# Altium PCB PCB_3_3G_wireless.PcbDoc (part 5 of 6)
Units mm, origin at the board's own origin, x right, y up, seen from the top; angles counter-clockwise.
Board outline 800 x 450.44 mm, 4 copper layers (Top Layer, Y1, S2, Bottom Layer), stack 0.778 mm thick; 1293 components, 1283 nets, 3356 pads, 970 vias.
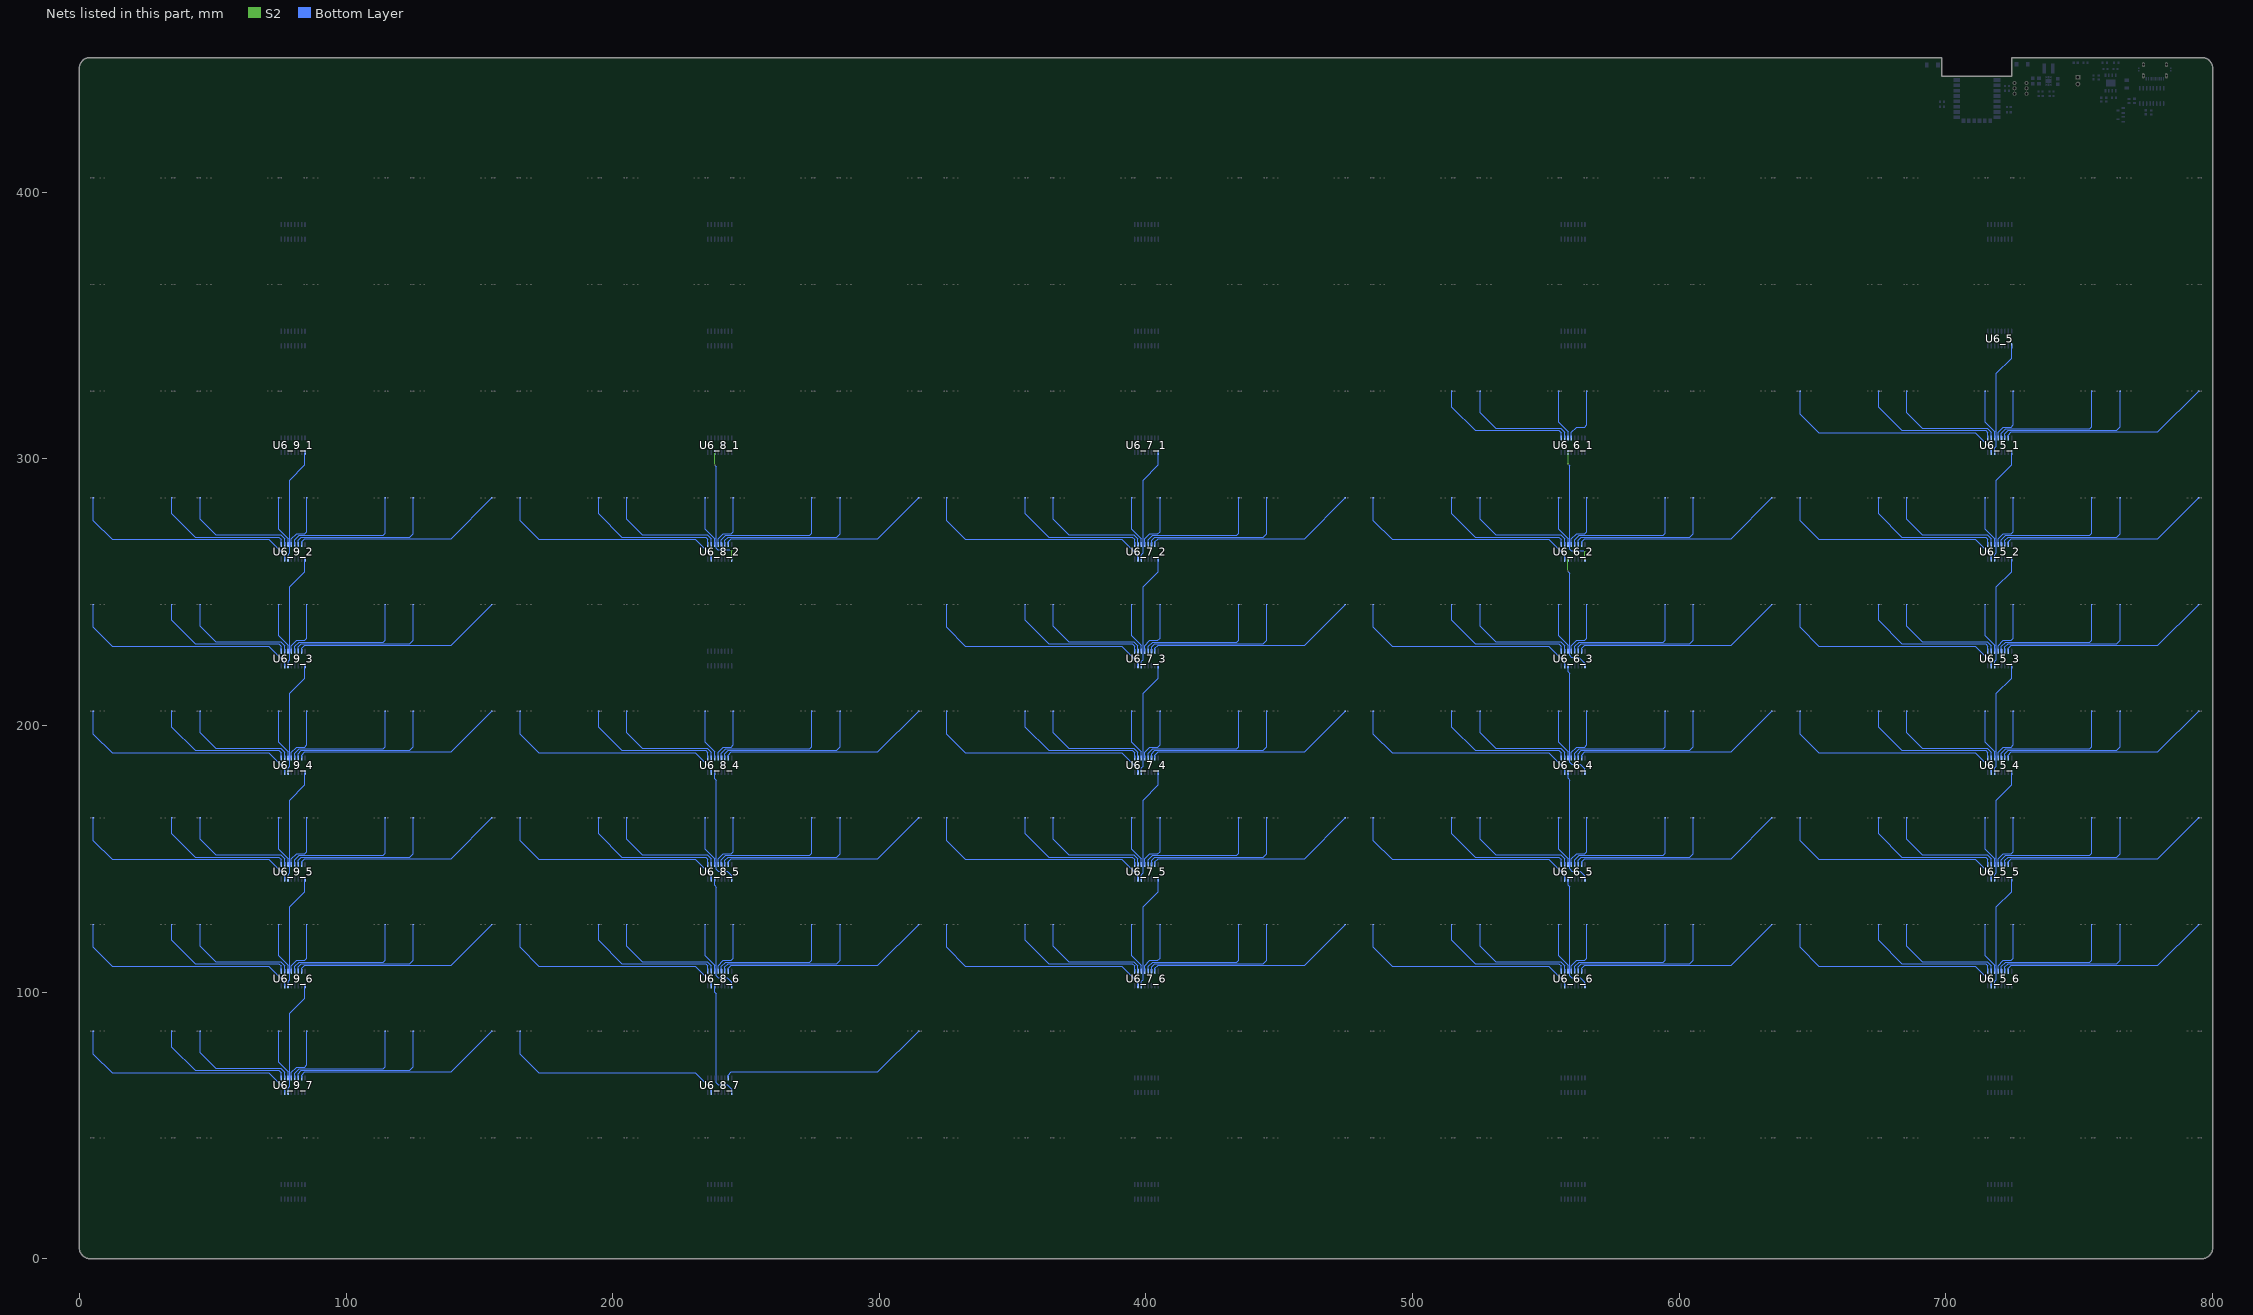
[diagram p7: the nets of this part, all layers, seen from the top]

## Via types
v1: diameter 0.5, hole 0.3, Top Layer to Bottom Layer, tented both sides, 612 vias
v2: diameter 0.45, hole 0.3, Top Layer to Bottom Layer, tented both sides, 354 vias
v3: diameter 0.6, hole 0.4, Top Layer to Bottom Layer, tented both sides, 4 vias

## Nets (pads, with @x,y where several pads share a name; then routed paths per layer and width w, separated by ;. In a path a pad name is that pad's centre, name@x,y a point inside that pad or via, vN(x,y) a via of type N, cw(c..) or ccw(c..) an arc to the next point about the centre after c; other vN are vias at no path point) (continued)
NewNet889: BR1_11_7.1 U6_8_7.7 | length 79.3
  Bottom Layer w0.254: U6_8_7.7@243.341,67.8 243.341,68.874 244.51,70.042 299.458,70.042 BR1_11_7.1@314.723,85.308
NewNet890: BR2_3_8_7.1 U6_8_7.15 | length 87.1
  Bottom Layer w0.254: BR2_3_8_7.1@165.276,85.308 165.276,76.759 172.297,69.738 230.971,69.738 236.991,63.718 U6_8_7.15@236.991,62.328
NewNet891: U6_8_6.14 U6_8_7.9 | length 44.5
  Bottom Layer w0.254: U6_8_6.14@238.261,102.254 238.261,100.002 238.902,99.362 238.902,66.062 239.664,65.3 242.889,65.3 244.611,63.578 U6_8_7.9@244.611,62.328 U6_8_7.9@244.611,62.254
NewNet892: BR1_3_9_7.1 U6_9_7.1 | length 52.9
  Bottom Layer w0.254: BR1_3_9_7.1@34.723,85.308 34.723,79.341 43.438,70.627 74.858,70.627 75.721,69.763 U6_9_7.1@75.721,67.8
NewNet893: BR2_2_9_7.1 U6_9_7.2 | length 44.9
  Bottom Layer w0.254: BR2_2_9_7.1@45.276,85.308 45.276,77.221 51.083,71.414 75.493,71.414 76.991,69.915 U6_9_7.2@76.991,67.8
NewNet894: BR1_2_9_7.1 U6_9_7.3 | length 19
  Bottom Layer w0.254: BR1_2_9_7.1@74.723,85.308 74.723,73.58 78.261,70.042 U6_9_7.3@78.261,67.8
NewNet895: BR2_1_9_7.1 U6_9_7.4 | length 21.6
  Bottom Layer w0.254: U6_9_7.4@79.531,67.8 79.531,69.915 81.487,71.871 84.484,71.871 85.276,72.663 BR2_1_9_7.1@85.276,85.308
NewNet896: BR1_1_9_7.1 U6_9_7.5 | length 50
  Bottom Layer w0.254: U6_9_7.5@80.801,67.8 80.801,69.585 82.452,71.236 113.974,71.236 114.723,71.986 BR1_1_9_7.1@114.723,85.308
NewNet897: BR2_12_7.1 U6_9_7.6 | length 59.2
  Bottom Layer w0.254: U6_9_7.6@82.071,67.8 82.071,69.407 83.29,70.627 123.956,70.627 125.276,71.947 BR2_12_7.1@125.276,85.308
NewNet898: BR1_12_7.1 U6_9_7.7 | length 79.3
  Bottom Layer w0.254: U6_9_7.7@83.341,67.8 83.341,68.874 84.51,70.042 139.458,70.042 BR1_12_7.1@154.723,85.308
NewNet899: BR2_3_9_7.1 U6_9_7.15 | length 87.1
  Bottom Layer w0.254: BR2_3_9_7.1@5.276,85.308 5.276,76.759 12.297,69.738 70.971,69.738 76.991,63.718 U6_9_7.15@76.991,62.328
NewNet900: U6_9_6.9 U6_9_7.14 | length 42.6
  Bottom Layer w0.254: U6_9_7.14@78.261,62.328 78.261,64.043 78.896,64.678 78.896,91.958 84.611,97.673 U6_9_6.9@84.611,102.328
NewNet901: BR1_3_5_6.1 U6_5_6.1 | length 52.9
  Bottom Layer w0.254: BR1_3_5_6.1@674.723,125.308 674.723,119.341 683.438,110.627 714.858,110.627 715.721,109.763 U6_5_6.1@715.721,107.8
NewNet902: BR2_2_5_6.1 U6_5_6.2 | length 44.9
  Bottom Layer w0.254: BR2_2_5_6.1@685.276,125.308 685.276,117.221 691.083,111.414 715.493,111.414 716.991,109.915 U6_5_6.2@716.991,107.8
NewNet903: BR1_2_5_6.1 U6_5_6.3 | length 19
  Bottom Layer w0.254: BR1_2_5_6.1@714.723,125.308 714.723,113.58 718.261,110.042 U6_5_6.3@718.261,107.8
NewNet904: BR2_1_5_6.1 U6_5_6.4 | length 21.6
  Bottom Layer w0.254: U6_5_6.4@719.531,107.8 719.531,109.915 721.487,111.871 724.484,111.871 725.276,112.663 BR2_1_5_6.1@725.276,125.308
NewNet905: BR1_1_5_6.1 U6_5_6.5 | length 50
  Bottom Layer w0.254: U6_5_6.5@720.801,107.8 720.801,109.585 722.452,111.236 753.974,111.236 754.723,111.986 BR1_1_5_6.1@754.723,125.308
NewNet906: BR2_8_6.1 U6_5_6.6 | length 59.2
  Bottom Layer w0.254: U6_5_6.6@722.071,107.8 722.071,109.407 723.29,110.627 763.956,110.627 765.276,111.947 BR2_8_6.1@765.276,125.308
NewNet907: BR1_8_6.1 U6_5_6.7 | length 79.3
  Bottom Layer w0.254: U6_5_6.7@723.341,107.8 723.341,108.874 724.51,110.042 779.458,110.042 BR1_8_6.1@794.723,125.308
NewNet908: BR2_3_5_6.1 U6_5_6.15 | length 87.1
  Bottom Layer w0.254: BR2_3_5_6.1@645.276,125.308 645.276,116.759 652.297,109.738 710.971,109.738 716.991,103.718 U6_5_6.15@716.991,102.328
NewNet909: U6_5_5.9 U6_5_6.14 | length 42.6
  Bottom Layer w0.254: U6_5_6.14@718.261,102.328 718.261,104.043 718.896,104.678 718.896,131.958 724.611,137.673 U6_5_5.9@724.611,142.328
NewNet910: BR1_3_6_6.1 U6_6_6.1 | length 52.9
  Bottom Layer w0.254: BR1_3_6_6.1@514.723,125.308 514.723,119.341 523.438,110.627 554.858,110.627 555.721,109.763 U6_6_6.1@555.721,107.8
NewNet911: BR2_2_6_6.1 U6_6_6.2 | length 44.9
  Bottom Layer w0.254: BR2_2_6_6.1@525.276,125.308 525.276,117.221 531.083,111.414 555.493,111.414 556.991,109.915 U6_6_6.2@556.991,107.8
NewNet912: BR1_2_6_6.1 U6_6_6.3 | length 19
  Bottom Layer w0.254: BR1_2_6_6.1@554.723,125.308 554.723,113.58 558.261,110.042 U6_6_6.3@558.261,107.8
NewNet913: BR2_1_6_6.1 U6_6_6.4 | length 21.6
  Bottom Layer w0.254: U6_6_6.4@559.531,107.8 559.531,109.915 561.487,111.871 564.484,111.871 565.276,112.663 BR2_1_6_6.1@565.276,125.308
NewNet914: BR1_1_6_6.1 U6_6_6.5 | length 50
  Bottom Layer w0.254: U6_6_6.5@560.801,107.8 560.801,109.585 562.452,111.236 593.974,111.236 594.723,111.986 BR1_1_6_6.1@594.723,125.308
NewNet915: BR2_9_6.1 U6_6_6.6 | length 59.2
  Bottom Layer w0.254: U6_6_6.6@562.071,107.8 562.071,109.407 563.29,110.627 603.956,110.627 605.276,111.947 BR2_9_6.1@605.276,125.308
NewNet916: BR1_9_6.1 U6_6_6.7 | length 79.3
  Bottom Layer w0.254: U6_6_6.7@563.341,107.8 563.341,108.874 564.51,110.042 619.458,110.042 BR1_9_6.1@634.723,125.308
NewNet917: BR2_3_6_6.1 U6_6_6.15 | length 87.1
  Bottom Layer w0.254: BR2_3_6_6.1@485.276,125.308 485.276,116.759 492.297,109.738 550.971,109.738 556.991,103.718 U6_6_6.15@556.991,102.328
NewNet918: U6_6_5.14 U6_6_6.9 | length 44.5
  Bottom Layer w0.254: U6_6_5.14@558.261,142.328 558.261,140.076 558.902,139.436 558.902,106.137 559.664,105.375 562.889,105.375 564.611,103.653 U6_6_6.9@564.611,102.328
NewNet919: BR1_3_7_6.1 U6_7_6.1 | length 52.9
  Bottom Layer w0.254: BR1_3_7_6.1@354.723,125.308 354.723,119.341 363.438,110.627 394.858,110.627 395.721,109.763 U6_7_6.1@395.721,107.8
NewNet920: BR2_2_7_6.1 U6_7_6.2 | length 44.9
  Bottom Layer w0.254: BR2_2_7_6.1@365.276,125.308 365.276,117.221 371.083,111.414 395.493,111.414 396.991,109.915 U6_7_6.2@396.991,107.8
NewNet921: BR1_2_7_6.1 U6_7_6.3 | length 19
  Bottom Layer w0.254: BR1_2_7_6.1@394.723,125.308 394.723,113.58 398.261,110.042 U6_7_6.3@398.261,107.8
NewNet922: BR2_1_7_6.1 U6_7_6.4 | length 21.6
  Bottom Layer w0.254: U6_7_6.4@399.531,107.8 399.531,109.915 401.487,111.871 404.484,111.871 405.276,112.663 BR2_1_7_6.1@405.276,125.308
NewNet923: BR1_1_7_6.1 U6_7_6.5 | length 50
  Bottom Layer w0.254: U6_7_6.5@400.801,107.8 400.801,109.585 402.452,111.236 433.974,111.236 434.723,111.986 BR1_1_7_6.1@434.723,125.308
NewNet924: BR2_10_6.1 U6_7_6.6 | length 59.2
  Bottom Layer w0.254: U6_7_6.6@402.071,107.8 402.071,109.407 403.29,110.627 443.956,110.627 445.276,111.947 BR2_10_6.1@445.276,125.308
NewNet925: BR1_10_6.1 U6_7_6.7 | length 79.3
  Bottom Layer w0.254: U6_7_6.7@403.341,107.8 403.341,108.874 404.51,110.042 459.458,110.042 BR1_10_6.1@474.723,125.308
NewNet926: BR2_3_7_6.1 U6_7_6.15 | length 87.1
  Bottom Layer w0.254: BR2_3_7_6.1@325.276,125.308 325.276,116.759 332.297,109.738 390.971,109.738 396.991,103.718 U6_7_6.15@396.991,102.328
NewNet927: U6_7_5.9 U6_7_6.14 | length 42.6
  Bottom Layer w0.254: U6_7_6.14@398.261,102.328 398.261,104.043 398.896,104.678 398.896,131.958 404.611,137.673 U6_7_5.9@404.611,142.328
NewNet928: BR1_3_8_6.1 U6_8_6.1 | length 52.9
  Bottom Layer w0.254: BR1_3_8_6.1@194.723,125.308 194.723,119.341 203.438,110.627 234.858,110.627 235.721,109.763 U6_8_6.1@235.721,107.8
NewNet929: BR2_2_8_6.1 U6_8_6.2 | length 44.9
  Bottom Layer w0.254: BR2_2_8_6.1@205.276,125.308 205.276,117.221 211.083,111.414 235.493,111.414 236.991,109.915 U6_8_6.2@236.991,107.8
NewNet930: BR1_2_8_6.1 U6_8_6.3 | length 19
  Bottom Layer w0.254: BR1_2_8_6.1@234.723,125.308 234.723,113.58 238.261,110.042 U6_8_6.3@238.261,107.8
NewNet931: BR2_1_8_6.1 U6_8_6.4 | length 21.6
  Bottom Layer w0.254: U6_8_6.4@239.531,107.8 239.531,109.915 241.487,111.871 244.484,111.871 245.276,112.663 BR2_1_8_6.1@245.276,125.308
NewNet932: BR1_1_8_6.1 U6_8_6.5 | length 50
  Bottom Layer w0.254: U6_8_6.5@240.801,107.8 240.801,109.585 242.452,111.236 273.974,111.236 274.723,111.986 BR1_1_8_6.1@274.723,125.308
NewNet933: BR2_11_6.1 U6_8_6.6 | length 59.2
  Bottom Layer w0.254: U6_8_6.6@242.071,107.8 242.071,109.407 243.29,110.627 283.956,110.627 285.276,111.947 BR2_11_6.1@285.276,125.308
NewNet934: BR1_11_6.1 U6_8_6.7 | length 79.3
  Bottom Layer w0.254: U6_8_6.7@243.341,107.8 243.341,108.874 244.51,110.042 299.458,110.042 BR1_11_6.1@314.723,125.308
NewNet935: BR2_3_8_6.1 U6_8_6.15 | length 87.1
  Bottom Layer w0.254: BR2_3_8_6.1@165.276,125.308 165.276,116.759 172.297,109.738 230.971,109.738 236.991,103.718 U6_8_6.15@236.991,102.328
NewNet936: U6_8_5.14 U6_8_6.9 | length 44.5
  Bottom Layer w0.254: U6_8_5.14@238.261,142.254 238.261,140.002 238.902,139.362 238.902,106.062 239.664,105.3 242.889,105.3 244.611,103.578 U6_8_6.9@244.611,102.328 U6_8_6.9@244.611,102.254
NewNet937: BR1_3_9_6.1 U6_9_6.1 | length 52.9
  Bottom Layer w0.254: BR1_3_9_6.1@34.723,125.308 34.723,119.341 43.438,110.627 74.858,110.627 75.721,109.763 U6_9_6.1@75.721,107.8
NewNet938: BR2_2_9_6.1 U6_9_6.2 | length 44.9
  Bottom Layer w0.254: BR2_2_9_6.1@45.276,125.308 45.276,117.221 51.083,111.414 75.493,111.414 76.991,109.915 U6_9_6.2@76.991,107.8
NewNet939: BR1_2_9_6.1 U6_9_6.3 | length 19
  Bottom Layer w0.254: BR1_2_9_6.1@74.723,125.308 74.723,113.58 78.261,110.042 U6_9_6.3@78.261,107.8
NewNet940: BR2_1_9_6.1 U6_9_6.4 | length 21.6
  Bottom Layer w0.254: U6_9_6.4@79.531,107.8 79.531,109.915 81.487,111.871 84.484,111.871 85.276,112.663 BR2_1_9_6.1@85.276,125.308
NewNet941: BR1_1_9_6.1 U6_9_6.5 | length 50
  Bottom Layer w0.254: U6_9_6.5@80.801,107.8 80.801,109.585 82.452,111.236 113.974,111.236 114.723,111.986 BR1_1_9_6.1@114.723,125.308
NewNet942: BR2_12_6.1 U6_9_6.6 | length 59.2
  Bottom Layer w0.254: U6_9_6.6@82.071,107.8 82.071,109.407 83.29,110.627 123.956,110.627 125.276,111.947 BR2_12_6.1@125.276,125.308
NewNet943: BR1_12_6.1 U6_9_6.7 | length 79.3
  Bottom Layer w0.254: U6_9_6.7@83.341,107.8 83.341,108.874 84.51,110.042 139.458,110.042 BR1_12_6.1@154.723,125.308
NewNet944: BR2_3_9_6.1 U6_9_6.15 | length 87.1
  Bottom Layer w0.254: BR2_3_9_6.1@5.276,125.308 5.276,116.759 12.297,109.738 70.971,109.738 76.991,103.718 U6_9_6.15@76.991,102.328
NewNet945: U6_9_5.9 U6_9_6.14 | length 42.6
  Bottom Layer w0.254: U6_9_6.14@78.261,102.328 78.261,104.043 78.896,104.678 78.896,131.958 84.611,137.673 U6_9_5.9@84.611,142.328
NewNet946: BR1_3_5_5.1 U6_5_5.1 | length 52.9
  Bottom Layer w0.254: BR1_3_5_5.1@674.723,165.308 674.723,159.341 683.438,150.627 714.858,150.627 715.721,149.763 U6_5_5.1@715.721,147.8
NewNet947: BR2_2_5_5.1 U6_5_5.2 | length 44.9
  Bottom Layer w0.254: BR2_2_5_5.1@685.276,165.308 685.276,157.221 691.083,151.414 715.493,151.414 716.991,149.915 U6_5_5.2@716.991,147.8
NewNet948: BR1_2_5_5.1 U6_5_5.3 | length 19
  Bottom Layer w0.254: BR1_2_5_5.1@714.723,165.308 714.723,153.58 718.261,150.042 U6_5_5.3@718.261,147.8
NewNet949: BR2_1_5_5.1 U6_5_5.4 | length 21.6
  Bottom Layer w0.254: U6_5_5.4@719.531,147.8 719.531,149.915 721.487,151.871 724.484,151.871 725.276,152.663 BR2_1_5_5.1@725.276,165.308
NewNet950: BR1_1_5_5.1 U6_5_5.5 | length 50
  Bottom Layer w0.254: U6_5_5.5@720.801,147.8 720.801,149.585 722.452,151.236 753.974,151.236 754.723,151.986 BR1_1_5_5.1@754.723,165.308
NewNet951: BR2_8_5.1 U6_5_5.6 | length 59.2
  Bottom Layer w0.254: U6_5_5.6@722.071,147.8 722.071,149.407 723.29,150.627 763.956,150.627 765.276,151.947 BR2_8_5.1@765.276,165.308
NewNet952: BR1_8_5.1 U6_5_5.7 | length 79.3
  Bottom Layer w0.254: U6_5_5.7@723.341,147.8 723.341,148.874 724.51,150.042 779.458,150.042 BR1_8_5.1@794.723,165.308
NewNet953: BR2_3_5_5.1 U6_5_5.15 | length 87.1
  Bottom Layer w0.254: BR2_3_5_5.1@645.276,165.308 645.276,156.759 652.297,149.738 710.971,149.738 716.991,143.718 U6_5_5.15@716.991,142.328
NewNet954: U6_5_4.9 U6_5_5.14 | length 42.6
  Bottom Layer w0.254: U6_5_5.14@718.261,142.328 718.261,144.043 718.896,144.678 718.896,171.958 724.611,177.673 U6_5_4.9@724.611,182.328
NewNet955: BR1_3_6_5.1 U6_6_5.1 | length 52.9
  Bottom Layer w0.254: BR1_3_6_5.1@514.723,165.308 514.723,159.341 523.438,150.627 554.858,150.627 555.721,149.763 U6_6_5.1@555.721,147.8
NewNet956: BR2_2_6_5.1 U6_6_5.2 | length 44.9
  Bottom Layer w0.254: BR2_2_6_5.1@525.276,165.308 525.276,157.221 531.083,151.414 555.493,151.414 556.991,149.915 U6_6_5.2@556.991,147.8
NewNet957: BR1_2_6_5.1 U6_6_5.3 | length 19
  Bottom Layer w0.254: BR1_2_6_5.1@554.723,165.308 554.723,153.58 558.261,150.042 U6_6_5.3@558.261,147.8
NewNet958: BR2_1_6_5.1 U6_6_5.4 | length 21.6
  Bottom Layer w0.254: U6_6_5.4@559.531,147.8 559.531,149.915 561.487,151.871 564.484,151.871 565.276,152.663 BR2_1_6_5.1@565.276,165.308
NewNet959: BR1_1_6_5.1 U6_6_5.5 | length 50
  Bottom Layer w0.254: U6_6_5.5@560.801,147.8 560.801,149.585 562.452,151.236 593.974,151.236 594.723,151.986 BR1_1_6_5.1@594.723,165.308
NewNet960: BR2_9_5.1 U6_6_5.6 | length 59.2
  Bottom Layer w0.254: U6_6_5.6@562.071,147.8 562.071,149.407 563.29,150.627 603.956,150.627 605.276,151.947 BR2_9_5.1@605.276,165.308
NewNet961: BR1_9_5.1 U6_6_5.7 | length 79.3
  Bottom Layer w0.254: U6_6_5.7@563.341,147.8 563.341,148.874 564.51,150.042 619.458,150.042 BR1_9_5.1@634.723,165.308
NewNet962: BR2_3_6_5.1 U6_6_5.15 | length 87.1
  Bottom Layer w0.254: BR2_3_6_5.1@485.276,165.308 485.276,156.759 492.297,149.738 550.971,149.738 556.991,143.718 U6_6_5.15@556.991,142.328
NewNet963: U6_6_4.14 U6_6_5.9 | length 44.5
  Bottom Layer w0.254: U6_6_4.14@558.261,182.328 558.261,180.076 558.902,179.436 558.902,146.137 559.664,145.375 562.889,145.375 564.611,143.653 U6_6_5.9@564.611,142.328
NewNet964: BR1_3_7_5.1 U6_7_5.1 | length 52.9
  Bottom Layer w0.254: BR1_3_7_5.1@354.723,165.308 354.723,159.341 363.438,150.627 394.858,150.627 395.721,149.763 U6_7_5.1@395.721,147.8
NewNet965: BR2_2_7_5.1 U6_7_5.2 | length 44.9
  Bottom Layer w0.254: BR2_2_7_5.1@365.276,165.308 365.276,157.221 371.083,151.414 395.493,151.414 396.991,149.915 U6_7_5.2@396.991,147.8
NewNet966: BR1_2_7_5.1 U6_7_5.3 | length 19
  Bottom Layer w0.254: BR1_2_7_5.1@394.723,165.308 394.723,153.58 398.261,150.042 U6_7_5.3@398.261,147.8
NewNet967: BR2_1_7_5.1 U6_7_5.4 | length 21.6
  Bottom Layer w0.254: U6_7_5.4@399.531,147.8 399.531,149.915 401.487,151.871 404.484,151.871 405.276,152.663 BR2_1_7_5.1@405.276,165.308
NewNet968: BR1_1_7_5.1 U6_7_5.5 | length 50
  Bottom Layer w0.254: U6_7_5.5@400.801,147.8 400.801,149.585 402.452,151.236 433.974,151.236 434.723,151.986 BR1_1_7_5.1@434.723,165.308
NewNet969: BR2_10_5.1 U6_7_5.6 | length 59.2
  Bottom Layer w0.254: U6_7_5.6@402.071,147.8 402.071,149.407 403.29,150.627 443.956,150.627 445.276,151.947 BR2_10_5.1@445.276,165.308
NewNet970: BR1_10_5.1 U6_7_5.7 | length 79.3
  Bottom Layer w0.254: U6_7_5.7@403.341,147.8 403.341,148.874 404.51,150.042 459.458,150.042 BR1_10_5.1@474.723,165.308
NewNet971: BR2_3_7_5.1 U6_7_5.15 | length 87.1
  Bottom Layer w0.254: BR2_3_7_5.1@325.276,165.308 325.276,156.759 332.297,149.738 390.971,149.738 396.991,143.718 U6_7_5.15@396.991,142.328
NewNet972: U6_7_4.9 U6_7_5.14 | length 42.6
  Bottom Layer w0.254: U6_7_5.14@398.261,142.328 398.261,144.043 398.896,144.678 398.896,171.958 404.611,177.673 U6_7_4.9@404.611,182.328
NewNet973: BR1_3_8_5.1 U6_8_5.1 | length 52.9
  Bottom Layer w0.254: BR1_3_8_5.1@194.723,165.308 194.723,159.341 203.438,150.627 234.858,150.627 235.721,149.763 U6_8_5.1@235.721,147.8
NewNet974: BR2_2_8_5.1 U6_8_5.2 | length 44.9
  Bottom Layer w0.254: BR2_2_8_5.1@205.276,165.308 205.276,157.221 211.083,151.414 235.493,151.414 236.991,149.915 U6_8_5.2@236.991,147.8
NewNet975: BR1_2_8_5.1 U6_8_5.3 | length 19
  Bottom Layer w0.254: BR1_2_8_5.1@234.723,165.308 234.723,153.58 238.261,150.042 U6_8_5.3@238.261,147.8
NewNet976: BR2_1_8_5.1 U6_8_5.4 | length 21.6
  Bottom Layer w0.254: U6_8_5.4@239.531,147.8 239.531,149.915 241.487,151.871 244.484,151.871 245.276,152.663 BR2_1_8_5.1@245.276,165.308
NewNet977: BR1_1_8_5.1 U6_8_5.5 | length 50
  Bottom Layer w0.254: U6_8_5.5@240.801,147.8 240.801,149.585 242.452,151.236 273.974,151.236 274.723,151.986 BR1_1_8_5.1@274.723,165.308
NewNet978: BR2_11_5.1 U6_8_5.6 | length 59.2
  Bottom Layer w0.254: U6_8_5.6@242.071,147.8 242.071,149.407 243.29,150.627 283.956,150.627 285.276,151.947 BR2_11_5.1@285.276,165.308
NewNet979: BR1_11_5.1 U6_8_5.7 | length 79.3
  Bottom Layer w0.254: U6_8_5.7@243.341,147.8 243.341,148.874 244.51,150.042 299.458,150.042 BR1_11_5.1@314.723,165.308
NewNet980: BR2_3_8_5.1 U6_8_5.15 | length 87.1
  Bottom Layer w0.254: BR2_3_8_5.1@165.276,165.308 165.276,156.759 172.297,149.738 230.971,149.738 236.991,143.718 U6_8_5.15@236.991,142.328
NewNet981: U6_8_4.14 U6_8_5.9 | length 44.5
  Bottom Layer w0.254: U6_8_4.14@238.261,182.254 238.261,180.002 238.902,179.362 238.902,146.062 239.664,145.3 242.889,145.3 244.611,143.578 U6_8_5.9@244.611,142.328 U6_8_5.9@244.611,142.254
NewNet982: BR1_3_9_5.1 U6_9_5.1 | length 52.9
  Bottom Layer w0.254: BR1_3_9_5.1@34.723,165.308 34.723,159.341 43.438,150.627 74.858,150.627 75.721,149.763 U6_9_5.1@75.721,147.8
NewNet983: BR2_2_9_5.1 U6_9_5.2 | length 44.9
  Bottom Layer w0.254: BR2_2_9_5.1@45.276,165.308 45.276,157.221 51.083,151.414 75.493,151.414 76.991,149.915 U6_9_5.2@76.991,147.8
NewNet984: BR1_2_9_5.1 U6_9_5.3 | length 19
  Bottom Layer w0.254: BR1_2_9_5.1@74.723,165.308 74.723,153.58 78.261,150.042 U6_9_5.3@78.261,147.8
NewNet985: BR2_1_9_5.1 U6_9_5.4 | length 21.6
  Bottom Layer w0.254: U6_9_5.4@79.531,147.8 79.531,149.915 81.487,151.871 84.484,151.871 85.276,152.663 BR2_1_9_5.1@85.276,165.308
NewNet986: BR1_1_9_5.1 U6_9_5.5 | length 50
  Bottom Layer w0.254: U6_9_5.5@80.801,147.8 80.801,149.585 82.452,151.236 113.974,151.236 114.723,151.986 BR1_1_9_5.1@114.723,165.308
NewNet987: BR2_12_5.1 U6_9_5.6 | length 59.2
  Bottom Layer w0.254: U6_9_5.6@82.071,147.8 82.071,149.407 83.29,150.627 123.956,150.627 125.276,151.947 BR2_12_5.1@125.276,165.308
NewNet988: BR1_12_5.1 U6_9_5.7 | length 79.3
  Bottom Layer w0.254: U6_9_5.7@83.341,147.8 83.341,148.874 84.51,150.042 139.458,150.042 BR1_12_5.1@154.723,165.308
NewNet989: BR2_3_9_5.1 U6_9_5.15 | length 87.1
  Bottom Layer w0.254: BR2_3_9_5.1@5.276,165.308 5.276,156.759 12.297,149.738 70.971,149.738 76.991,143.718 U6_9_5.15@76.991,142.328
NewNet990: U6_9_4.9 U6_9_5.14 | length 42.6
  Bottom Layer w0.254: U6_9_5.14@78.261,142.328 78.261,144.043 78.896,144.678 78.896,171.958 84.611,177.673 U6_9_4.9@84.611,182.328
NewNet991: BR1_3_5_4.1 U6_5_4.1 | length 52.9
  Bottom Layer w0.254: BR1_3_5_4.1@674.723,205.308 674.723,199.341 683.438,190.627 714.858,190.627 715.721,189.763 U6_5_4.1@715.721,187.8
NewNet992: BR2_2_5_4.1 U6_5_4.2 | length 44.9
  Bottom Layer w0.254: BR2_2_5_4.1@685.276,205.308 685.276,197.221 691.083,191.414 715.493,191.414 716.991,189.915 U6_5_4.2@716.991,187.8
NewNet993: BR1_2_5_4.1 U6_5_4.3 | length 19
  Bottom Layer w0.254: BR1_2_5_4.1@714.723,205.308 714.723,193.58 718.261,190.042 U6_5_4.3@718.261,187.8
NewNet994: BR2_1_5_4.1 U6_5_4.4 | length 21.6
  Bottom Layer w0.254: U6_5_4.4@719.531,187.8 719.531,189.915 721.487,191.871 724.484,191.871 725.276,192.663 BR2_1_5_4.1@725.276,205.308
NewNet995: BR1_1_5_4.1 U6_5_4.5 | length 50
  Bottom Layer w0.254: U6_5_4.5@720.801,187.8 720.801,189.585 722.452,191.236 753.974,191.236 754.723,191.986 BR1_1_5_4.1@754.723,205.308
NewNet996: BR2_8_4.1 U6_5_4.6 | length 59.2
  Bottom Layer w0.254: U6_5_4.6@722.071,187.8 722.071,189.407 723.29,190.627 763.956,190.627 765.276,191.947 BR2_8_4.1@765.276,205.308
NewNet997: BR1_8_4.1 U6_5_4.7 | length 79.3
  Bottom Layer w0.254: U6_5_4.7@723.341,187.8 723.341,188.874 724.51,190.042 779.458,190.042 BR1_8_4.1@794.723,205.308
NewNet998: BR2_3_5_4.1 U6_5_4.15 | length 87.1
  Bottom Layer w0.254: BR2_3_5_4.1@645.276,205.308 645.276,196.759 652.297,189.738 710.971,189.738 716.991,183.718 U6_5_4.15@716.991,182.328
NewNet999: U6_5_3.9 U6_5_4.14 | length 42.6
  Bottom Layer w0.254: U6_5_4.14@718.261,182.328 718.261,184.043 718.896,184.678 718.896,211.958 724.611,217.673 U6_5_3.9@724.611,222.328
NewNet1000: BR1_3_6_4.1 U6_6_4.1 | length 52.9
  Bottom Layer w0.254: BR1_3_6_4.1@514.723,205.308 514.723,199.341 523.438,190.627 554.858,190.627 555.721,189.763 U6_6_4.1@555.721,187.8
NewNet1001: BR2_2_6_4.1 U6_6_4.2 | length 44.9
  Bottom Layer w0.254: BR2_2_6_4.1@525.276,205.308 525.276,197.221 531.083,191.414 555.493,191.414 556.991,189.915 U6_6_4.2@556.991,187.8
NewNet1002: BR1_2_6_4.1 U6_6_4.3 | length 19
  Bottom Layer w0.254: BR1_2_6_4.1@554.723,205.308 554.723,193.58 558.261,190.042 U6_6_4.3@558.261,187.8
NewNet1003: BR2_1_6_4.1 U6_6_4.4 | length 21.6
  Bottom Layer w0.254: U6_6_4.4@559.531,187.8 559.531,189.915 561.487,191.871 564.484,191.871 565.276,192.663 BR2_1_6_4.1@565.276,205.308
NewNet1004: BR1_1_6_4.1 U6_6_4.5 | length 50
  Bottom Layer w0.254: U6_6_4.5@560.801,187.8 560.801,189.585 562.452,191.236 593.974,191.236 594.723,191.986 BR1_1_6_4.1@594.723,205.308
NewNet1005: BR2_9_4.1 U6_6_4.6 | length 59.2
  Bottom Layer w0.254: U6_6_4.6@562.071,187.8 562.071,189.407 563.29,190.627 603.956,190.627 605.276,191.947 BR2_9_4.1@605.276,205.308
NewNet1006: BR1_9_4.1 U6_6_4.7 | length 79.3
  Bottom Layer w0.254: U6_6_4.7@563.341,187.8 563.341,188.874 564.51,190.042 619.458,190.042 BR1_9_4.1@634.723,205.308
NewNet1007: BR2_3_6_4.1 U6_6_4.15 | length 87.1
  Bottom Layer w0.254: BR2_3_6_4.1@485.276,205.308 485.276,196.759 492.297,189.738 550.971,189.738 556.991,183.718 U6_6_4.15@556.991,182.328
NewNet1008: U6_6_3.14 U6_6_4.9 | length 44.5
  Bottom Layer w0.254: U6_6_3.14@558.261,222.328 558.261,220.076 558.902,219.436 558.902,186.137 559.664,185.375 562.889,185.375 564.611,183.653 U6_6_4.9@564.611,182.328
NewNet1009: BR1_3_7_4.1 U6_7_4.1 | length 52.9
  Bottom Layer w0.254: BR1_3_7_4.1@354.723,205.308 354.723,199.341 363.438,190.627 394.858,190.627 395.721,189.763 U6_7_4.1@395.721,187.8
NewNet1010: BR2_2_7_4.1 U6_7_4.2 | length 44.9
  Bottom Layer w0.254: BR2_2_7_4.1@365.276,205.308 365.276,197.221 371.083,191.414 395.493,191.414 396.991,189.915 U6_7_4.2@396.991,187.8
NewNet1011: BR1_2_7_4.1 U6_7_4.3 | length 19
  Bottom Layer w0.254: BR1_2_7_4.1@394.723,205.308 394.723,193.58 398.261,190.042 U6_7_4.3@398.261,187.8
NewNet1012: BR2_1_7_4.1 U6_7_4.4 | length 21.6
  Bottom Layer w0.254: U6_7_4.4@399.531,187.8 399.531,189.915 401.487,191.871 404.484,191.871 405.276,192.663 BR2_1_7_4.1@405.276,205.308
NewNet1013: BR1_1_7_4.1 U6_7_4.5 | length 50
  Bottom Layer w0.254: U6_7_4.5@400.801,187.8 400.801,189.585 402.452,191.236 433.974,191.236 434.723,191.986 BR1_1_7_4.1@434.723,205.308
NewNet1014: BR2_10_4.1 U6_7_4.6 | length 59.2
  Bottom Layer w0.254: U6_7_4.6@402.071,187.8 402.071,189.407 403.29,190.627 443.956,190.627 445.276,191.947 BR2_10_4.1@445.276,205.308
NewNet1015: BR1_10_4.1 U6_7_4.7 | length 79.3
  Bottom Layer w0.254: U6_7_4.7@403.341,187.8 403.341,188.874 404.51,190.042 459.458,190.042 BR1_10_4.1@474.723,205.308
NewNet1016: BR2_3_7_4.1 U6_7_4.15 | length 87.1
  Bottom Layer w0.254: BR2_3_7_4.1@325.276,205.308 325.276,196.759 332.297,189.738 390.971,189.738 396.991,183.718 U6_7_4.15@396.991,182.328
NewNet1017: U6_7_3.9 U6_7_4.14 | length 42.6
  Bottom Layer w0.254: U6_7_4.14@398.261,182.328 398.261,184.043 398.896,184.678 398.896,211.958 404.611,217.673 U6_7_3.9@404.611,222.328
NewNet1018: BR1_3_8_4.1 U6_8_4.1 | length 52.9
  Bottom Layer w0.254: BR1_3_8_4.1@194.723,205.308 194.723,199.341 203.438,190.627 234.858,190.627 235.721,189.763 U6_8_4.1@235.721,187.8
NewNet1019: BR2_2_8_4.1 U6_8_4.2 | length 44.9
  Bottom Layer w0.254: BR2_2_8_4.1@205.276,205.308 205.276,197.221 211.083,191.414 235.493,191.414 236.991,189.915 U6_8_4.2@236.991,187.8
NewNet1020: BR1_2_8_4.1 U6_8_4.3 | length 19
  Bottom Layer w0.254: BR1_2_8_4.1@234.723,205.308 234.723,193.58 238.261,190.042 U6_8_4.3@238.261,187.8
NewNet1021: BR2_1_8_4.1 U6_8_4.4 | length 21.6
  Bottom Layer w0.254: U6_8_4.4@239.531,187.8 239.531,189.915 241.487,191.871 244.484,191.871 245.276,192.663 BR2_1_8_4.1@245.276,205.308
NewNet1022: BR1_1_8_4.1 U6_8_4.5 | length 50
  Bottom Layer w0.254: U6_8_4.5@240.801,187.8 240.801,189.585 242.452,191.236 273.974,191.236 274.723,191.986 BR1_1_8_4.1@274.723,205.308
NewNet1023: BR2_11_4.1 U6_8_4.6 | length 59.2
  Bottom Layer w0.254: U6_8_4.6@242.071,187.8 242.071,189.407 243.29,190.627 283.956,190.627 285.276,191.947 BR2_11_4.1@285.276,205.308
NewNet1024: BR1_11_4.1 U6_8_4.7 | length 79.3
  Bottom Layer w0.254: U6_8_4.7@243.341,187.8 243.341,188.874 244.51,190.042 299.458,190.042 BR1_11_4.1@314.723,205.308
NewNet1025: BR2_3_8_4.1 U6_8_4.15 | length 87.1
  Bottom Layer w0.254: BR2_3_8_4.1@165.276,205.308 165.276,196.759 172.297,189.738 230.971,189.738 236.991,183.718 U6_8_4.15@236.991,182.328
NewNet1026: BR1_3_9_4.1 U6_9_4.1 | length 52.9
  Bottom Layer w0.254: BR1_3_9_4.1@34.723,205.308 34.723,199.341 43.438,190.627 74.858,190.627 75.721,189.763 U6_9_4.1@75.721,187.8
NewNet1027: BR2_2_9_4.1 U6_9_4.2 | length 44.9
  Bottom Layer w0.254: BR2_2_9_4.1@45.276,205.308 45.276,197.221 51.083,191.414 75.493,191.414 76.991,189.915 U6_9_4.2@76.991,187.8
NewNet1028: BR1_2_9_4.1 U6_9_4.3 | length 19
  Bottom Layer w0.254: BR1_2_9_4.1@74.723,205.308 74.723,193.58 78.261,190.042 U6_9_4.3@78.261,187.8
NewNet1029: BR2_1_9_4.1 U6_9_4.4 | length 21.6
  Bottom Layer w0.254: U6_9_4.4@79.531,187.8 79.531,189.915 81.487,191.871 84.484,191.871 85.276,192.663 BR2_1_9_4.1@85.276,205.308
NewNet1030: BR1_1_9_4.1 U6_9_4.5 | length 50
  Bottom Layer w0.254: U6_9_4.5@80.801,187.8 80.801,189.585 82.452,191.236 113.974,191.236 114.723,191.986 BR1_1_9_4.1@114.723,205.308
NewNet1031: BR2_12_4.1 U6_9_4.6 | length 59.2
  Bottom Layer w0.254: U6_9_4.6@82.071,187.8 82.071,189.407 83.29,190.627 123.956,190.627 125.276,191.947 BR2_12_4.1@125.276,205.308
NewNet1032: BR1_12_4.1 U6_9_4.7 | length 79.3
  Bottom Layer w0.254: U6_9_4.7@83.341,187.8 83.341,188.874 84.51,190.042 139.458,190.042 BR1_12_4.1@154.723,205.308
NewNet1033: BR2_3_9_4.1 U6_9_4.15 | length 87.1
  Bottom Layer w0.254: BR2_3_9_4.1@5.276,205.308 5.276,196.759 12.297,189.738 70.971,189.738 76.991,183.718 U6_9_4.15@76.991,182.328
NewNet1034: U6_9_3.9 U6_9_4.14 | length 42.6
  Bottom Layer w0.254: U6_9_4.14@78.261,182.328 78.261,184.043 78.896,184.678 78.896,211.958 84.611,217.673 U6_9_3.9@84.611,222.328
NewNet1035: BR1_3_5_3.1 U6_5_3.1 | length 52.9
  Bottom Layer w0.254: BR1_3_5_3.1@674.723,245.308 674.723,239.341 683.438,230.627 714.858,230.627 715.721,229.763 U6_5_3.1@715.721,227.8
NewNet1036: BR2_2_5_3.1 U6_5_3.2 | length 44.9
  Bottom Layer w0.254: BR2_2_5_3.1@685.276,245.308 685.276,237.221 691.083,231.414 715.493,231.414 716.991,229.915 U6_5_3.2@716.991,227.8
NewNet1037: BR1_2_5_3.1 U6_5_3.3 | length 19
  Bottom Layer w0.254: BR1_2_5_3.1@714.723,245.308 714.723,233.58 718.261,230.042 U6_5_3.3@718.261,227.8
NewNet1038: BR2_1_5_3.1 U6_5_3.4 | length 21.6
  Bottom Layer w0.254: U6_5_3.4@719.531,227.8 719.531,229.915 721.487,231.871 724.484,231.871 725.276,232.663 BR2_1_5_3.1@725.276,245.308
NewNet1039: BR1_1_5_3.1 U6_5_3.5 | length 50
  Bottom Layer w0.254: U6_5_3.5@720.801,227.8 720.801,229.585 722.452,231.236 753.974,231.236 754.723,231.986 BR1_1_5_3.1@754.723,245.308
NewNet1040: BR2_8_3.1 U6_5_3.6 | length 59.2
  Bottom Layer w0.254: U6_5_3.6@722.071,227.8 722.071,229.407 723.29,230.627 763.956,230.627 765.276,231.947 BR2_8_3.1@765.276,245.308
NewNet1041: BR1_8_3.1 U6_5_3.7 | length 79.3
  Bottom Layer w0.254: U6_5_3.7@723.341,227.8 723.341,228.874 724.51,230.042 779.458,230.042 BR1_8_3.1@794.723,245.308
NewNet1042: BR2_3_5_3.1 U6_5_3.15 | length 87.1
  Bottom Layer w0.254: BR2_3_5_3.1@645.276,245.308 645.276,236.759 652.297,229.738 710.971,229.738 716.991,223.718 U6_5_3.15@716.991,222.328
NewNet1043: U6_5_2.9 U6_5_3.14 | length 42.6
  Bottom Layer w0.254: U6_5_3.14@718.261,222.328 718.261,224.043 718.896,224.678 718.896,251.958 724.611,257.673 U6_5_2.9@724.611,262.328
NewNet1044: BR1_3_6_3.1 U6_6_3.1 | length 52.9
  Bottom Layer w0.254: BR1_3_6_3.1@514.723,245.308 514.723,239.341 523.438,230.627 554.858,230.627 555.721,229.763 U6_6_3.1@555.721,227.8
NewNet1045: BR2_2_6_3.1 U6_6_3.2 | length 44.9
  Bottom Layer w0.254: BR2_2_6_3.1@525.276,245.308 525.276,237.221 531.083,231.414 555.493,231.414 556.991,229.915 U6_6_3.2@556.991,227.8
NewNet1046: BR1_2_6_3.1 U6_6_3.3 | length 19
  Bottom Layer w0.254: BR1_2_6_3.1@554.723,245.308 554.723,233.58 558.261,230.042 U6_6_3.3@558.261,227.8
NewNet1047: BR2_1_6_3.1 U6_6_3.4 | length 21.6
  Bottom Layer w0.254: U6_6_3.4@559.531,227.8 559.531,229.915 561.487,231.871 564.484,231.871 565.276,232.663 BR2_1_6_3.1@565.276,245.308
NewNet1048: BR1_1_6_3.1 U6_6_3.5 | length 50
  Bottom Layer w0.254: U6_6_3.5@560.801,227.8 560.801,229.585 562.452,231.236 593.974,231.236 594.723,231.986 BR1_1_6_3.1@594.723,245.308
NewNet1049: BR2_9_3.1 U6_6_3.6 | length 59.2
  Bottom Layer w0.254: U6_6_3.6@562.071,227.8 562.071,229.407 563.29,230.627 603.956,230.627 605.276,231.947 BR2_9_3.1@605.276,245.308
NewNet1050: BR1_9_3.1 U6_6_3.7 | length 79.3
  Bottom Layer w0.254: U6_6_3.7@563.341,227.8 563.341,228.874 564.51,230.042 619.458,230.042 BR1_9_3.1@634.723,245.308
NewNet1051: BR2_3_6_3.1 U6_6_3.15 | length 87.1
  Bottom Layer w0.254: BR2_3_6_3.1@485.276,245.308 485.276,236.759 492.297,229.738 550.971,229.738 556.991,223.718 U6_6_3.15@556.991,222.328
NewNet1052: U6_6_2.14 U6_6_3.9 | length 44.3
  S2 w0.254: v2(558.165,257.835) 558.165,262.232 v2(558.261,262.328)
  Bottom Layer w0.254: v2@558.165,257.861 v2(558.165,257.835) 558.876,257.124 558.876,226.289 559.562,225.603 562.28,225.603 564.611,223.271 U6_6_3.9@564.611,222.328
NewNet1053: BR1_3_7_3.1 U6_7_3.1 | length 52.9
  Bottom Layer w0.254: BR1_3_7_3.1@354.723,245.308 354.723,239.341 363.438,230.627 394.858,230.627 395.721,229.763 U6_7_3.1@395.721,227.8
NewNet1054: BR2_2_7_3.1 U6_7_3.2 | length 44.9
  Bottom Layer w0.254: BR2_2_7_3.1@365.276,245.308 365.276,237.221 371.083,231.414 395.493,231.414 396.991,229.915 U6_7_3.2@396.991,227.8
NewNet1055: BR1_2_7_3.1 U6_7_3.3 | length 19
  Bottom Layer w0.254: BR1_2_7_3.1@394.723,245.308 394.723,233.58 398.261,230.042 U6_7_3.3@398.261,227.8
NewNet1056: BR2_1_7_3.1 U6_7_3.4 | length 21.6
  Bottom Layer w0.254: U6_7_3.4@399.531,227.8 399.531,229.915 401.487,231.871 404.484,231.871 405.276,232.663 BR2_1_7_3.1@405.276,245.308
NewNet1057: BR1_1_7_3.1 U6_7_3.5 | length 50
  Bottom Layer w0.254: U6_7_3.5@400.801,227.8 400.801,229.585 402.452,231.236 433.974,231.236 434.723,231.986 BR1_1_7_3.1@434.723,245.308
NewNet1058: BR2_10_3.1 U6_7_3.6 | length 59.2
  Bottom Layer w0.254: U6_7_3.6@402.071,227.8 402.071,229.407 403.29,230.627 443.956,230.627 445.276,231.947 BR2_10_3.1@445.276,245.308
NewNet1059: BR1_10_3.1 U6_7_3.7 | length 79.3
  Bottom Layer w0.254: U6_7_3.7@403.341,227.8 403.341,228.874 404.51,230.042 459.458,230.042 BR1_10_3.1@474.723,245.308
NewNet1060: BR2_3_7_3.1 U6_7_3.15 | length 87.1
  Bottom Layer w0.254: BR2_3_7_3.1@325.276,245.308 325.276,236.759 332.297,229.738 390.971,229.738 396.991,223.718 U6_7_3.15@396.991,222.328
NewNet1061: U6_7_2.9 U6_7_3.14 | length 42.6
  Bottom Layer w0.254: U6_7_3.14@398.261,222.328 398.261,224.043 398.896,224.678 398.896,251.958 404.611,257.673 U6_7_2.9@404.611,262.328
NewNet1062: BR1_3_9_3.1 U6_9_3.1 | length 52.9
  Bottom Layer w0.254: BR1_3_9_3.1@34.723,245.308 34.723,239.341 43.438,230.627 74.858,230.627 75.721,229.763 U6_9_3.1@75.721,227.8
NewNet1063: BR2_2_9_3.1 U6_9_3.2 | length 44.9
  Bottom Layer w0.254: BR2_2_9_3.1@45.276,245.308 45.276,237.221 51.083,231.414 75.493,231.414 76.991,229.915 U6_9_3.2@76.991,227.8
NewNet1064: BR1_2_9_3.1 U6_9_3.3 | length 19
  Bottom Layer w0.254: BR1_2_9_3.1@74.723,245.308 74.723,233.58 78.261,230.042 U6_9_3.3@78.261,227.8
NewNet1065: BR2_1_9_3.1 U6_9_3.4 | length 21.6
  Bottom Layer w0.254: U6_9_3.4@79.531,227.8 79.531,229.915 81.487,231.871 84.484,231.871 85.276,232.663 BR2_1_9_3.1@85.276,245.308
NewNet1066: BR1_1_9_3.1 U6_9_3.5 | length 50
  Bottom Layer w0.254: U6_9_3.5@80.801,227.8 80.801,229.585 82.452,231.236 113.974,231.236 114.723,231.986 BR1_1_9_3.1@114.723,245.308
NewNet1067: BR2_12_3.1 U6_9_3.6 | length 59.2
  Bottom Layer w0.254: U6_9_3.6@82.071,227.8 82.071,229.407 83.29,230.627 123.956,230.627 125.276,231.947 BR2_12_3.1@125.276,245.308
NewNet1068: BR1_12_3.1 U6_9_3.7 | length 79.3
  Bottom Layer w0.254: U6_9_3.7@83.341,227.8 83.341,228.874 84.51,230.042 139.458,230.042 BR1_12_3.1@154.723,245.308
NewNet1069: BR2_3_9_3.1 U6_9_3.15 | length 87.1
  Bottom Layer w0.254: BR2_3_9_3.1@5.276,245.308 5.276,236.759 12.297,229.738 70.971,229.738 76.991,223.718 U6_9_3.15@76.991,222.328
NewNet1070: U6_9_2.9 U6_9_3.14 | length 42.6
  Bottom Layer w0.254: U6_9_3.14@78.261,222.328 78.261,224.043 78.896,224.678 78.896,251.958 84.611,257.673 U6_9_2.9@84.611,262.328
NewNet1071: BR1_3_5_2.1 U6_5_2.1 | length 52.9
  Bottom Layer w0.254: BR1_3_5_2.1@674.723,285.308 674.723,279.341 683.438,270.627 714.858,270.627 715.721,269.763 U6_5_2.1@715.721,267.8
NewNet1072: BR2_2_5_2.1 U6_5_2.2 | length 44.9
  Bottom Layer w0.254: BR2_2_5_2.1@685.276,285.308 685.276,277.221 691.083,271.414 715.493,271.414 716.991,269.915 U6_5_2.2@716.991,267.8
NewNet1073: BR1_2_5_2.1 U6_5_2.3 | length 19
  Bottom Layer w0.254: BR1_2_5_2.1@714.723,285.308 714.723,273.58 718.261,270.042 U6_5_2.3@718.261,267.8
NewNet1074: BR2_1_5_2.1 U6_5_2.4 | length 21.6
  Bottom Layer w0.254: U6_5_2.4@719.531,267.8 719.531,269.915 721.487,271.871 724.484,271.871 725.276,272.663 BR2_1_5_2.1@725.276,285.308
NewNet1075: BR1_1_5_2.1 U6_5_2.5 | length 50
  Bottom Layer w0.254: U6_5_2.5@720.801,267.8 720.801,269.585 722.452,271.236 753.974,271.236 754.723,271.986 BR1_1_5_2.1@754.723,285.308
NewNet1076: BR2_8_2.1 U6_5_2.6 | length 59.2
  Bottom Layer w0.254: U6_5_2.6@722.071,267.8 722.071,269.407 723.29,270.627 763.956,270.627 765.276,271.947 BR2_8_2.1@765.276,285.308
NewNet1077: BR1_8_2.1 U6_5_2.7 | length 79.3
  Bottom Layer w0.254: U6_5_2.7@723.341,267.8 723.341,268.874 724.51,270.042 779.458,270.042 BR1_8_2.1@794.723,285.308
NewNet1078: BR2_3_5_2.1 U6_5_2.15 | length 87.1
  Bottom Layer w0.254: BR2_3_5_2.1@645.276,285.308 645.276,276.759 652.297,269.738 710.971,269.738 716.991,263.718 U6_5_2.15@716.991,262.328
NewNet1079: U6_5_1.9 U6_5_2.14 | length 42.6
  Bottom Layer w0.254: U6_5_2.14@718.261,262.328 718.261,264.043 718.896,264.678 718.896,291.958 724.611,297.673 U6_5_1.9@724.611,302.328
NewNet1080: BR1_3_6_2.1 U6_6_2.1 | length 52.9
  Bottom Layer w0.254: BR1_3_6_2.1@514.723,285.308 514.723,279.341 523.438,270.627 554.858,270.627 555.721,269.763 U6_6_2.1@555.721,267.8
NewNet1081: BR2_2_6_2.1 U6_6_2.2 | length 44.9
  Bottom Layer w0.254: BR2_2_6_2.1@525.276,285.308 525.276,277.221 531.083,271.414 555.493,271.414 556.991,269.915 U6_6_2.2@556.991,267.8
NewNet1082: BR1_2_6_2.1 U6_6_2.3 | length 19
  Bottom Layer w0.254: BR1_2_6_2.1@554.723,285.308 554.723,273.58 558.261,270.042 U6_6_2.3@558.261,267.8
NewNet1083: BR2_1_6_2.1 U6_6_2.4 | length 21.6
  Bottom Layer w0.254: U6_6_2.4@559.531,267.8 559.531,269.915 561.487,271.871 564.484,271.871 565.276,272.663 BR2_1_6_2.1@565.276,285.308
NewNet1084: BR1_1_6_2.1 U6_6_2.5 | length 50
  Bottom Layer w0.254: U6_6_2.5@560.801,267.8 560.801,269.585 562.452,271.236 593.974,271.236 594.723,271.986 BR1_1_6_2.1@594.723,285.308
NewNet1085: BR2_9_2.1 U6_6_2.6 | length 59.2
  Bottom Layer w0.254: U6_6_2.6@562.071,267.8 562.071,269.407 563.29,270.627 603.956,270.627 605.276,271.947 BR2_9_2.1@605.276,285.308
NewNet1086: BR1_9_2.1 U6_6_2.7 | length 79.3
  Bottom Layer w0.254: U6_6_2.7@563.341,267.8 563.341,268.874 564.51,270.042 619.458,270.042 BR1_9_2.1@634.723,285.308
NewNet1087: BR2_3_6_2.1 U6_6_2.15 | length 87.1
  Bottom Layer w0.254: BR2_3_6_2.1@485.276,285.308 485.276,276.759 492.297,269.738 550.971,269.738 556.991,263.718 U6_6_2.15@556.991,262.328
NewNet1088: U6_6_1.14 U6_6_2.9 | length 45.6
  S2 w0.254: v2(558.261,302.328) 558.292,302.298 v2(558.292,297.891) ; v2(564.439,265.557) 564.611,265.385 v2(564.611,262.328)
  Bottom Layer w0.254: v2(558.292,297.891) 558.876,297.307 558.876,266.116 559.435,265.557 v2(564.439,265.557)
NewNet1089: BR1_3_7_2.1 U6_7_2.1 | length 52.9
  Bottom Layer w0.254: BR1_3_7_2.1@354.723,285.308 354.723,279.341 363.438,270.627 394.858,270.627 395.721,269.763 U6_7_2.1@395.721,267.8
NewNet1090: BR2_2_7_2.1 U6_7_2.2 | length 44.9
  Bottom Layer w0.254: BR2_2_7_2.1@365.276,285.308 365.276,277.221 371.083,271.414 395.493,271.414 396.991,269.915 U6_7_2.2@396.991,267.8
NewNet1091: BR1_2_7_2.1 U6_7_2.3 | length 19
  Bottom Layer w0.254: BR1_2_7_2.1@394.723,285.308 394.723,273.58 398.261,270.042 U6_7_2.3@398.261,267.8
NewNet1092: BR2_1_7_2.1 U6_7_2.4 | length 21.6
  Bottom Layer w0.254: U6_7_2.4@399.531,267.8 399.531,269.915 401.487,271.871 404.484,271.871 405.276,272.663 BR2_1_7_2.1@405.276,285.308
NewNet1093: BR1_1_7_2.1 U6_7_2.5 | length 50
  Bottom Layer w0.254: U6_7_2.5@400.801,267.8 400.801,269.585 402.452,271.236 433.974,271.236 434.723,271.986 BR1_1_7_2.1@434.723,285.308
NewNet1094: BR2_10_2.1 U6_7_2.6 | length 59.2
  Bottom Layer w0.254: U6_7_2.6@402.071,267.8 402.071,269.407 403.29,270.627 443.956,270.627 445.276,271.947 BR2_10_2.1@445.276,285.308
NewNet1095: BR1_10_2.1 U6_7_2.7 | length 79.3
  Bottom Layer w0.254: U6_7_2.7@403.341,267.8 403.341,268.874 404.51,270.042 459.458,270.042 BR1_10_2.1@474.723,285.308
NewNet1096: BR2_3_7_2.1 U6_7_2.15 | length 87.1
  Bottom Layer w0.254: BR2_3_7_2.1@325.276,285.308 325.276,276.759 332.297,269.738 390.971,269.738 396.991,263.718 U6_7_2.15@396.991,262.328
NewNet1097: U6_7_1.9 U6_7_2.14 | length 42.6
  Bottom Layer w0.254: U6_7_2.14@398.261,262.328 398.261,264.043 398.896,264.678 398.896,291.958 404.611,297.673 U6_7_1.9@404.611,302.328
NewNet1098: BR1_3_8_2.1 U6_8_2.1 | length 52.9
  Bottom Layer w0.254: BR1_3_8_2.1@194.723,285.308 194.723,279.341 203.438,270.627 234.858,270.627 235.721,269.763 U6_8_2.1@235.721,267.8
NewNet1099: BR2_2_8_2.1 U6_8_2.2 | length 44.9
  Bottom Layer w0.254: BR2_2_8_2.1@205.276,285.308 205.276,277.221 211.083,271.414 235.493,271.414 236.991,269.915 U6_8_2.2@236.991,267.8
NewNet1100: BR1_2_8_2.1 U6_8_2.3 | length 19
  Bottom Layer w0.254: BR1_2_8_2.1@234.723,285.308 234.723,273.58 238.261,270.042 U6_8_2.3@238.261,267.8
NewNet1101: BR2_1_8_2.1 U6_8_2.4 | length 21.6
  Bottom Layer w0.254: U6_8_2.4@239.531,267.8 239.531,269.915 241.487,271.871 244.484,271.871 245.276,272.663 BR2_1_8_2.1@245.276,285.308
NewNet1102: BR1_1_8_2.1 U6_8_2.5 | length 50
  Bottom Layer w0.254: U6_8_2.5@240.801,267.8 240.801,269.585 242.452,271.236 273.974,271.236 274.723,271.986 BR1_1_8_2.1@274.723,285.308
NewNet1103: BR2_11_2.1 U6_8_2.6 | length 59.2
  Bottom Layer w0.254: U6_8_2.6@242.071,267.8 242.071,269.407 243.29,270.627 283.956,270.627 285.276,271.947 BR2_11_2.1@285.276,285.308
NewNet1104: BR1_11_2.1 U6_8_2.7 | length 79.3
  Bottom Layer w0.254: U6_8_2.7@243.341,267.8 243.341,268.874 244.51,270.042 299.458,270.042 BR1_11_2.1@314.723,285.308
NewNet1105: BR2_3_8_2.1 U6_8_2.15 | length 87.1
  Bottom Layer w0.254: BR2_3_8_2.1@165.276,285.308 165.276,276.759 172.297,269.738 230.971,269.738 236.991,263.718 U6_8_2.15@236.991,262.328
NewNet1106: U6_8_1.14 U6_8_2.9 | length 45.4
  S2 w0.254: v2(238.261,297.628) v2(238.261,302.328) ; v2(244.17,265.862) 244.611,265.421 v2(244.611,262.328)
  Bottom Layer w0.254: v2(238.261,297.628) 238.912,296.977 238.912,266.446 239.497,265.862 v2(244.17,265.862)
NewNet1107: BR1_3_9_2.1 U6_9_2.1 | length 52.9
  Bottom Layer w0.254: BR1_3_9_2.1@34.723,285.308 34.723,279.341 43.438,270.627 74.858,270.627 75.721,269.763 U6_9_2.1@75.721,267.8
NewNet1108: BR2_2_9_2.1 U6_9_2.2 | length 44.9
  Bottom Layer w0.254: BR2_2_9_2.1@45.276,285.308 45.276,277.221 51.083,271.414 75.493,271.414 76.991,269.915 U6_9_2.2@76.991,267.8
NewNet1109: BR1_2_9_2.1 U6_9_2.3 | length 19
  Bottom Layer w0.254: BR1_2_9_2.1@74.723,285.308 74.723,273.58 78.261,270.042 U6_9_2.3@78.261,267.8
NewNet1110: BR2_1_9_2.1 U6_9_2.4 | length 21.6
  Bottom Layer w0.254: U6_9_2.4@79.531,267.8 79.531,269.915 81.487,271.871 84.484,271.871 85.276,272.663 BR2_1_9_2.1@85.276,285.308
NewNet1111: BR1_1_9_2.1 U6_9_2.5 | length 50
  Bottom Layer w0.254: U6_9_2.5@80.801,267.8 80.801,269.585 82.452,271.236 113.974,271.236 114.723,271.986 BR1_1_9_2.1@114.723,285.308
NewNet1112: BR2_12_2.1 U6_9_2.6 | length 59.2
  Bottom Layer w0.254: U6_9_2.6@82.071,267.8 82.071,269.407 83.29,270.627 123.956,270.627 125.276,271.947 BR2_12_2.1@125.276,285.308
NewNet1113: BR1_12_2.1 U6_9_2.7 | length 79.3
  Bottom Layer w0.254: U6_9_2.7@83.341,267.8 83.341,268.874 84.51,270.042 139.458,270.042 BR1_12_2.1@154.723,285.308
NewNet1114: BR2_3_9_2.1 U6_9_2.15 | length 87.1
  Bottom Layer w0.254: BR2_3_9_2.1@5.276,285.308 5.276,276.759 12.297,269.738 70.971,269.738 76.991,263.718 U6_9_2.15@76.991,262.328
NewNet1115: U6_9_1.9 U6_9_2.14 | length 42.6
  Bottom Layer w0.254: U6_9_2.14@78.261,262.328 78.261,264.043 78.896,264.678 78.896,291.958 84.611,297.673 U6_9_1.9@84.611,302.328
NewNet1116: BR1_3_5_1.1 U6_5_1.1 | length 52.9
  Bottom Layer w0.254: BR1_3_5_1.1@674.723,325.308 674.723,319.341 683.438,310.627 714.858,310.627 715.721,309.763 U6_5_1.1@715.721,307.8
NewNet1117: BR2_2_5_1.1 U6_5_1.2 | length 44.9
  Bottom Layer w0.254: BR2_2_5_1.1@685.276,325.308 685.276,317.221 691.083,311.414 715.493,311.414 716.991,309.915 U6_5_1.2@716.991,307.8
NewNet1118: BR1_2_5_1.1 U6_5_1.3 | length 19
  Bottom Layer w0.254: BR1_2_5_1.1@714.723,325.308 714.723,313.58 718.261,310.042 U6_5_1.3@718.261,307.8
NewNet1119: BR2_1_5_1.1 U6_5_1.4 | length 21.6
  Bottom Layer w0.254: U6_5_1.4@719.531,307.8 719.531,309.915 721.487,311.871 724.484,311.871 725.276,312.663 BR2_1_5_1.1@725.276,325.308
NewNet1120: BR1_1_5_1.1 U6_5_1.5 | length 50
  Bottom Layer w0.254: U6_5_1.5@720.801,307.8 720.801,309.585 722.452,311.236 753.974,311.236 754.723,311.986 BR1_1_5_1.1@754.723,325.308
NewNet1121: BR2_8_1.1 U6_5_1.6 | length 59.2
  Bottom Layer w0.254: U6_5_1.6@722.071,307.8 722.071,309.407 723.29,310.627 763.956,310.627 765.276,311.947 BR2_8_1.1@765.276,325.308
NewNet1122: BR1_8_1.1 U6_5_1.7 | length 79.3
  Bottom Layer w0.254: U6_5_1.7@723.341,307.8 723.341,308.874 724.51,310.042 779.458,310.042 BR1_8_1.1@794.723,325.308
NewNet1123: BR2_3_5_1.1 U6_5_1.15 | length 87.1
  Bottom Layer w0.254: BR2_3_5_1.1@645.276,325.308 645.276,316.759 652.297,309.738 710.971,309.738 716.991,303.718 U6_5_1.15@716.991,302.328
NewNet1124: U6_5.9 U6_5_1.14 | length 42.6
  Bottom Layer w0.254: U6_5_1.14@718.261,302.328 718.261,304.043 718.896,304.678 718.896,331.958 724.611,337.673 U6_5.9@724.611,342.328
NewNet1125: BR1_3_6_1.1 U6_6_1.1 | length 52.9
  Bottom Layer w0.254: BR1_3_6_1.1@514.723,325.308 514.723,319.341 523.438,310.627 554.858,310.627 555.721,309.763 U6_6_1.1@555.721,307.8
NewNet1126: BR2_2_6_1.1 U6_6_1.2 | length 44.9
  Bottom Layer w0.254: BR2_2_6_1.1@525.276,325.308 525.276,317.221 531.083,311.414 555.493,311.414 556.991,309.915 U6_6_1.2@556.991,307.8
NewNet1127: BR1_2_6_1.1 U6_6_1.3 | length 19
  Bottom Layer w0.254: BR1_2_6_1.1@554.723,325.308 554.723,313.58 558.261,310.042 U6_6_1.3@558.261,307.8
NewNet1128: BR2_1_6_1.1 U6_6_1.4 | length 21.6
  Bottom Layer w0.254: U6_6_1.4@559.531,307.8 559.531,309.915 561.487,311.871 564.484,311.871 565.276,312.663 BR2_1_6_1.1@565.276,325.308